# Altium PCB power-v3.3.PcbDoc (part 3 of 3)
Units mm, origin at the board's own origin, x right, y up, seen from the top; angles counter-clockwise.
Board outline 155.99 x 87.14 mm, 4 copper layers (Signal 1, Ground, Power, Signal 2), stack 1.536 mm thick; 227 components, 142 nets, 618 pads, 1072 vias.
Unrouted connection lines stored in the file: 100.
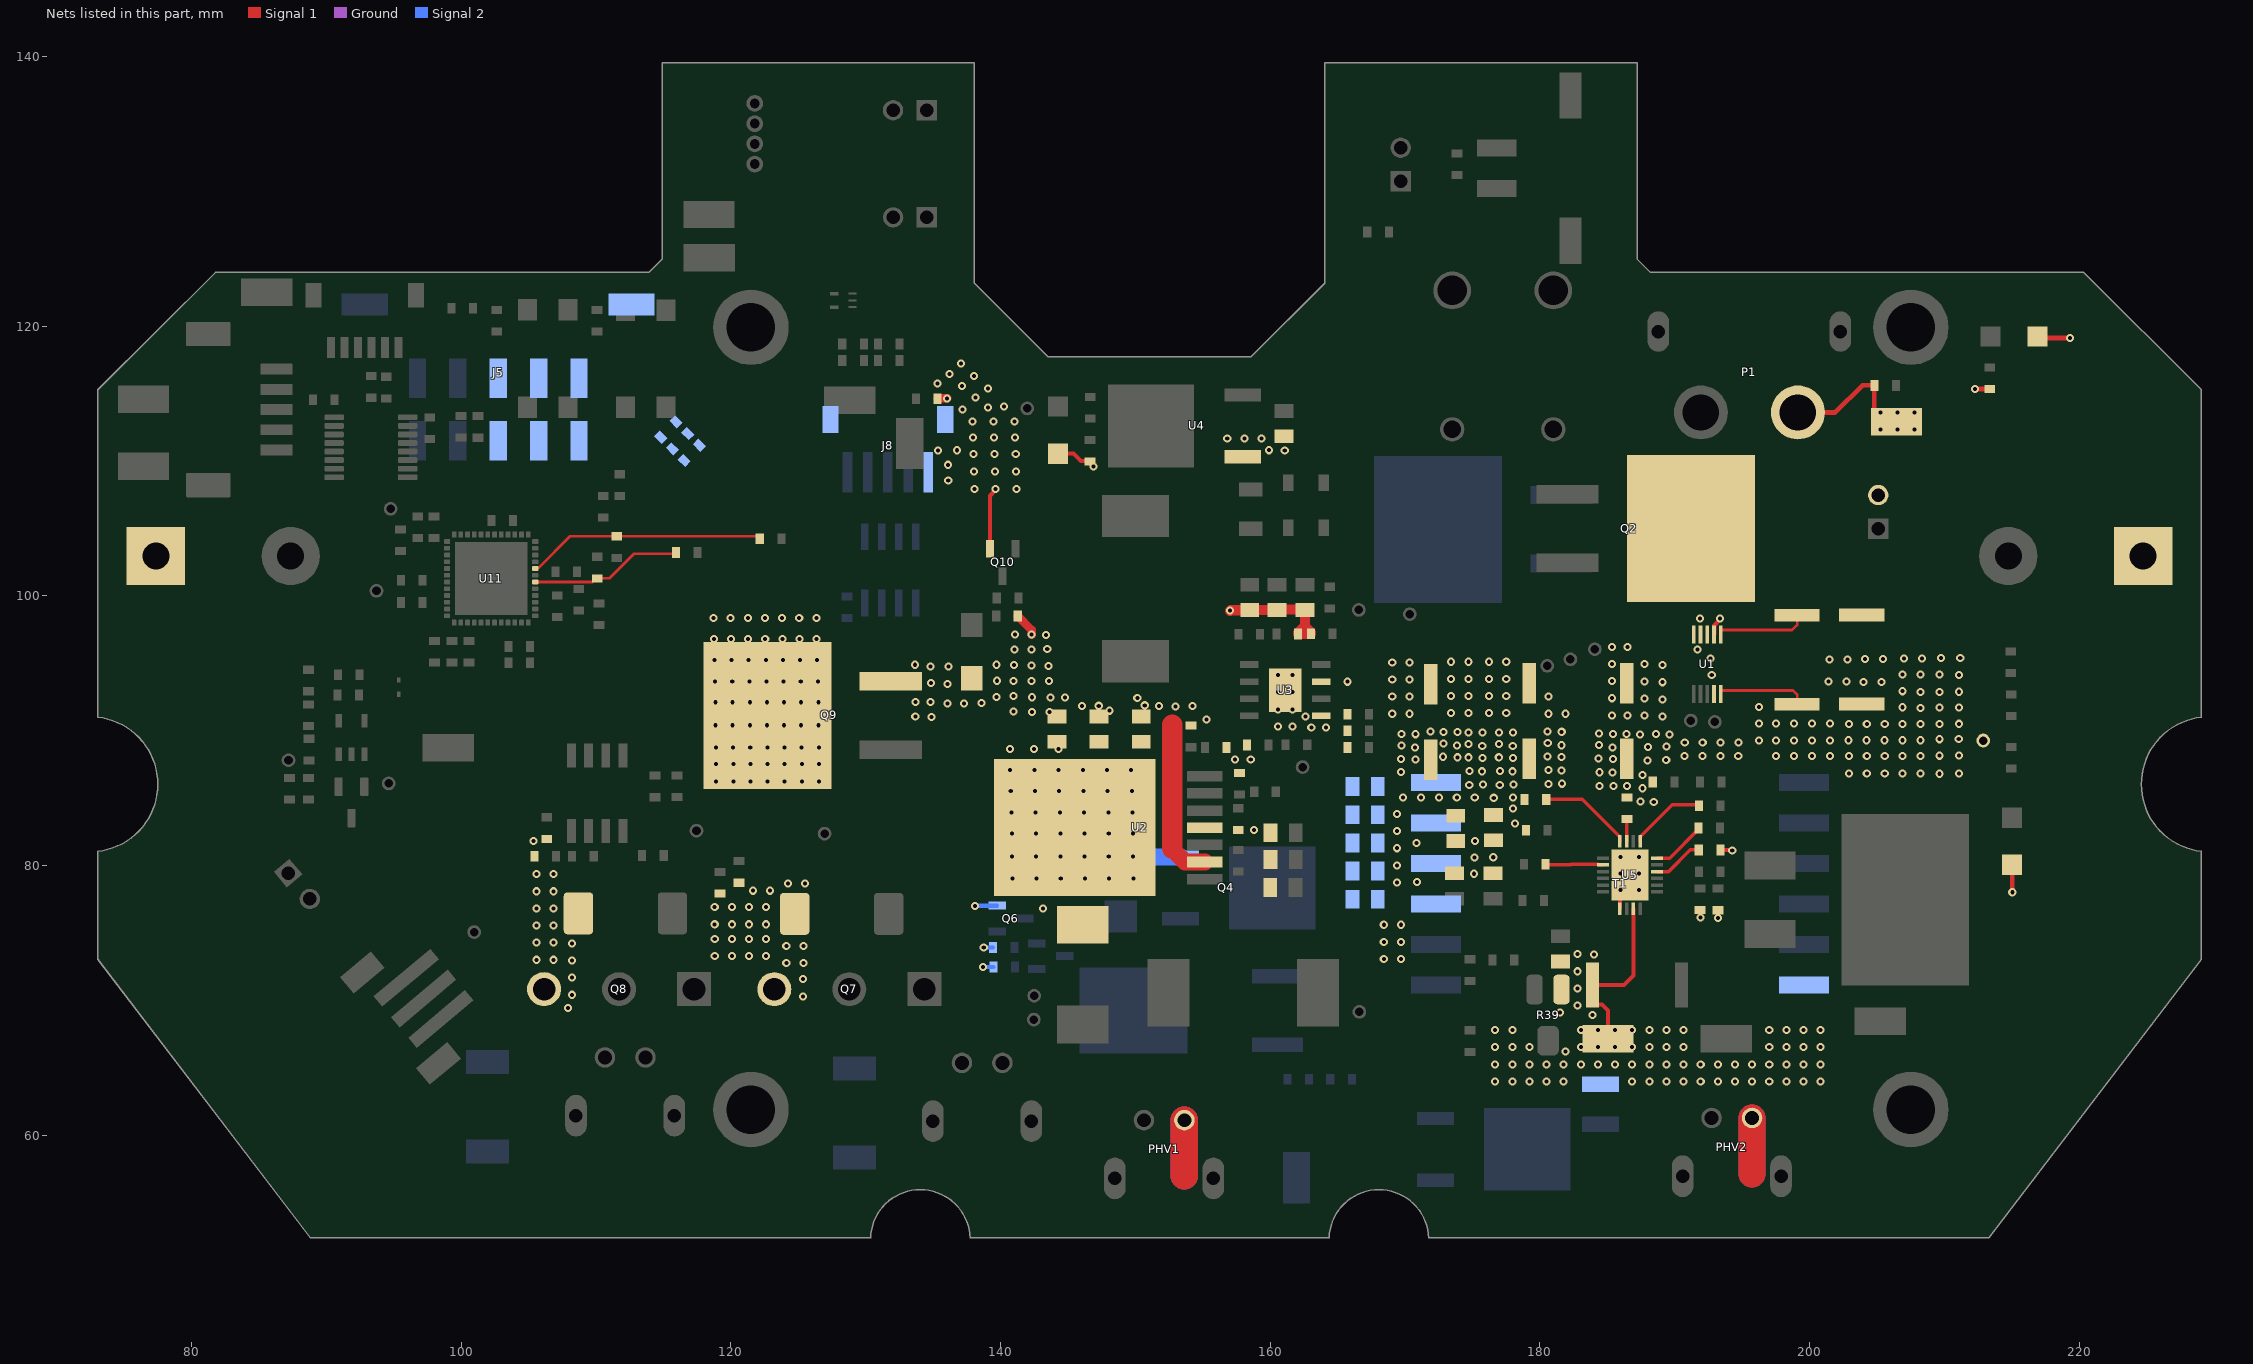
[diagram p5: the nets of this part, all layers, seen from the top]

## Via types
v1: diameter 0.6, hole 0.3, Signal 1 to Signal 2, tented both sides, 1045 vias
v2: diameter 0.5, hole 0.25, Signal 1 to Signal 2, tented both sides, 21 vias
v3: diameter 5.8, hole 3.6, Signal 1 to Signal 2, 4 vias
v4: diameter 1, hole 0.5, Signal 1 to Signal 2, 2 vias

## Nets (pads, with @x,y where several pads share a name; then routed paths per layer and width w, separated by ;. In a path a pad name is that pad's centre, name@x,y a point inside that pad or via, vN(x,y) a via of type N, cw(c..) or ccw(c..) an arc to the next point about the centre after c; other vN are vias at no path point) (continued)
PGND: C2.2 C3.2 C4.2 C5.1 C6.1 C7.1 C8.1 C9.2 C10.2 C11.2 C12.2 C13.2 C14.1 C15.2 C16.1 C17.1 C18.NEG C19.NEG C20.NEG C21.1 C22.NEG C23.NEG C24.1 C25.1 C26.1 C27.1 C28.1 C29.1 C30.1 C32.2 C33.2 C34.2 C35.1 C41.1 C42.1 C48.1 C49.1 C50.1 D2.A D3.2 D5.2 D8.2 D9.A D13.A D15.A FB_CSN.1 J1.2 J5.1 J5.2 J5.3 J5.S1 J8.1 J8.6 J8.7 P1.1 PGND.1 PHV1.1 PHV2.1 Q4.3 Q6.2 Q7.3 Q8.3 Q10.2 R3.1 R4.2 R11.1 R12.1 R13.2 R17.1 R18.1 R39.3 R40.1 R41.1 R46.1 R52.2 R54.2 T1.12 U1.3 U1.4 U1.5 U1.9 U2.4 U2.8 U3.1 U3.3 U3.EPAD U4.1 U5.7 U5.9 U5.21 | length 72.8
  Signal 1 w0.203: D5.2@216.897,119.243 D5.2@217.019,119.121
  Signal 1 w0.305: Q10.2@139.214,103.508 139.214,107.431 139.623,107.84 v1(139.623,107.92) ; D3.2@144.264,110.548 145.415,110.548 145.955,110.009 146.582,110.009 C16.1@146.634,109.957 146.686,109.957 146.834,109.81 146.834,109.647 v1(146.89,109.59) ; FB_CSN.1@185.037,67.083 185.037,69.261 184.604,69.694 184.21,69.694 183.887,70.016 R40.1@183.887,71.164 186.226,71.164 186.925,71.863 186.925,75.384 186.925,75.892 U5.9@186.925,76.804 ; U5.7@185.925,76.804 U5.21@185.925,78.238 ; v1(185.976,78.186) U5.21@185.925,78.238 ; U5.21@186.675,79.307 185.925,78.557 U5.21@185.925,78.238 ; R41.1@193.374,81.166 193.39,81.151 194.244,81.151 v1(194.259,81.136) ; v1(215.022,78.03) D8.2@215.022,80.045
  Signal 1 w0.356: P1.1@199.129,113.604 201.899,113.604 203.921,115.626 204.773,115.626 R3.1@204.791,115.609 204.791,113.813 205.679,112.925 PGND.1@206.436,112.925 ; D5.2@217.019,119.121 v1(219.291,119.121)
  Signal 1 w0.635: R4.2@135.337,114.624 135.354,114.643 v1(136.048,114.643)
  Signal 1 w0.762: v1(157.03,98.913) 157.064,98.947 158.168,98.947 158.181,98.96 160.462,98.96 160.504,99.002 162.543,99.002 C12.2@162.586,98.96 162.586,97.799 ; 162.586,97.799 162.061,97.274 C14.1@162.061,97.174 162.069,97.182 163.023,97.182 R17.1@163.031,97.19 163.031,97.29 162.586,97.736 162.586,97.799
  Signal 1 w2.032: 153.635,57.006 PHV1.1@153.635,61.134 ; 195.724,57.166 PHV2.1@195.724,61.294
  Ground w2.032: 153.635,57.006 PHV1.1@153.635,61.134 ; 195.724,57.166 PHV2.1@195.724,61.294
  Signal 2 w0.305: v1(138.11,77.025) 138.118,77.032 Q6.2@139.743,77.032 ; v1(138.703,72.501) 138.712,72.491 139.478,72.491 R46.1@139.487,72.482
  Signal 2 w1.27: D9.A@148.923,80.633 Q4.3@153.333,80.633
  other v1: 176.679,64.003 177.949,64.003 179.219,64.003 180.489,64.003 181.759,64.003 186.839,64.003 188.109,64.003 189.379,64.003 190.649,64.003 191.919,64.003 193.189,64.003 194.459,64.003 195.729,64.003 196.999,64.003 198.269,64.003 199.539,64.003 200.809,64.003 176.679,65.273 177.949,65.273 179.219,65.273 180.489,65.273 181.759,65.273 183.029,65.273 184.299,65.273 185.569,65.273 186.839,65.273 188.109,65.273 189.379,65.273 190.649,65.273 191.919,65.273 193.189,65.273 194.459,65.273 195.729,65.273 196.999,65.273 198.269,65.273 199.539,65.273 200.809,65.273 181.896,66.236 176.679,66.543 177.949,66.543 179.219,66.543 183.029,66.543 184.299,66.543 185.569,66.543 186.839,66.543 188.109,66.543 189.379,66.543 190.649,66.543 196.999,66.543 198.269,66.543 199.539,66.543 200.809,66.543 176.679,67.813 177.949,67.813 183.029,67.813 184.299,67.813 185.569,67.813 186.839,67.813 188.109,67.813 189.379,67.813 190.649,67.813 196.999,67.813 198.269,67.813 199.539,67.813 200.809,67.813 183.905,68.928 181.488,69.116 107.924,69.45 182.769,69.631 125.371,70.315 108.216,70.427 182.769,70.901 125.371,71.585 108.216,71.697 182.769,72.171 124.117,72.782 125.387,72.782 108.216,72.967 105.589,73.022 106.859,73.022 168.419,73.081 169.689,73.081 118.815,73.294 120.085,73.294 121.355,73.294 122.625,73.294 182.769,73.441 184.018,73.421 124.117,74.052 125.387,74.052 108.216,74.237 105.589,74.292 106.859,74.292 168.419,74.351 169.689,74.351 118.815,74.564 120.085,74.564 121.355,74.564 122.625,74.564 105.589,75.562 106.859,75.562 168.419,75.621 169.689,75.621 118.812,75.656 120.082,75.656 121.352,75.656 122.622,75.656 193.207,76.133 191.896,76.157 105.589,76.832 106.859,76.832 143.143,76.839 118.812,76.926 120.082,76.926 121.352,76.926 122.622,76.926 105.589,78.102 106.859,78.102 121.65,78.144 122.92,78.144 187.348,78.186 124.241,78.686 125.511,78.686 140.879,79.042 142.674,79.042 144.469,79.042 146.264,79.042 148.059,79.042 149.854,79.042 105.589,79.372 106.859,79.372 175.096,79.403 185.976,79.414 187.348,79.414 175.135,80.61 176.535,80.625 185.976,80.643 187.348,80.643 140.846,80.697 142.641,80.697 144.436,80.697 146.231,80.697 148.026,80.697 149.821,80.697 175.189,81.817 105.365,81.835 140.846,82.401 142.641,82.401 144.436,82.401 146.231,82.401 148.026,82.401 149.821,82.401 158.8,82.638 140.812,83.953 142.607,83.953 144.402,83.953 146.197,83.953 147.992,83.953 149.788,83.953 140.76,85.523 142.555,85.523 144.35,85.523 146.145,85.523 147.94,85.523 149.735,85.523 140.717,87.103 142.512,87.103 144.307,87.103 146.103,87.103 147.898,87.103 149.693,87.103 157.39,87.868 158.556,87.877 140.697,88.645 142.492,88.645 144.287,88.645 163.044,90.244 164.125,90.244 160.564,90.324 161.646,90.324 162.601,91.047 189.082,91.064 186.492,91.13 187.762,91.13 185.341,91.148 169.047,91.265 170.317,91.265 180.625,91.265 181.895,91.265 173.418,91.313 174.688,91.313 176.229,91.313 177.499,91.313 160.564,91.594 161.646,91.594 189.082,92.334 187.762,92.4 185.341,92.418 169.047,92.535 170.317,92.535 180.625,92.535 173.418,92.583 174.688,92.583 176.229,92.583 177.499,92.583 160.564,92.864 161.646,92.864 189.082,93.604 165.735,93.64 187.762,93.67 185.341,93.688 169.047,93.805 170.317,93.805 173.418,93.853 174.688,93.853 176.229,93.853 177.499,93.853 160.564,94.134 161.646,94.134 192.736,94.142 189.082,94.874 187.762,94.94 185.341,94.958 169.047,95.075 170.317,95.075 173.418,95.123 174.688,95.123 176.229,95.123 177.499,95.123 192.654,95.348 191.674,96.034 186.492,96.21 185.341,96.228 191.873,98.325 138.064,107.92 141.182,107.92 136.128,108.557 138.029,109.242 139.588,109.242 141.147,109.242 136.118,109.725 138.012,110.518 139.571,110.518 141.13,110.518 161.077,110.775 135.377,110.792 136.764,110.801 159.916,110.805 156.814,111.668 158.084,111.668 159.354,111.668 137.955,111.734 139.514,111.734 141.073,111.734 205.233,112.328 206.503,112.328 207.773,112.328 137.929,112.933 139.488,112.933 141.048,112.933 205.233,113.598 206.503,113.598 207.773,113.598 137.169,113.817 139.086,113.987 140.258,114.058 138.137,114.701 139.067,115.371 137.147,115.559 135.315,115.747 138.035,116.31 136.221,116.465 137.076,117.229
PMS_SCL: R5.1 R67.2 U11.18 | length 11.3
  Signal 1 w0.203: U11.18@105.504,101.033 109.732,101.033 110.011,101.311 111.007,101.311 112.822,103.126 115.826,103.126 R67.2@115.928,103.228
PMS_SDA: R6.1 R66.2 U11.20 | length 17.8
  Signal 1 w0.203: U11.20@105.504,102.033 105.577,102.106 105.769,102.106 108.09,104.427 121.952,104.427 122.16,104.219 R66.2@122.16,104.129
RBG: R41.2 U5.14 | length 3.8
  Signal 1 w0.254: U5.14@188.678,79.557 189.53,79.557 191.139,81.166 R41.2@191.774,81.166
RDCM: R32.2 U5.17 | length 5.7
  Signal 1 w0.254: U5.17@187.425,81.81 187.425,82.134 189.807,84.516 191.731,84.516 R32.2@191.8,84.447
RVOUT: R37.2 U5.16 | length 4.1
  Signal 1 w0.254: U5.16@188.678,80.557 189.615,80.557 191.756,82.698 R37.2@191.756,82.798
RVTRANS: R30.2 U5.19 | length 1.7
  Signal 1 w0.254: U5.19@186.425,81.81 186.425,83.417 R30.2@186.459,83.451
UVLO1: R23.1 U5.20 | length 6.9
  Signal 1 w0.254: R23.1@180.468,84.904 180.475,84.912 183.147,84.912 185.925,82.134 U5.20@185.925,81.81
UVLO2: R21.1 U5.2 | length 4.3
  Signal 1 w0.254: R21.1@180.412,80.105 180.46,80.057 182.281,80.057 182.32,80.096 184.309,80.096 184.348,80.057 U5.2@184.672,80.057
VCC: C2.1 C3.1 C4.1 C18.POS C19.POS C20.POS C24.2 C25.2 C26.2 C27.2 C28.2 C29.2 C30.2 C31.2 D16.1 Q9.3 R7.1 R8.1 R9.2 R20.2 R23.2 R24.2 R30.1 R45.2 R55.1 T1.3 T1.4 T1.5 T1.6 U1.2 U1.10 U2.2 VCC.1 | length 23.7
  Signal 1 w0.203: U1.10@193.412,92.717 193.412,92.957 193.45,92.995 198.762,92.995 199.07,92.687 R7.1@199.07,91.969 ; v1(212.267,115.35) v1@212.273,115.345 ; R20.2@213.344,115.345 R20.2@213.349,115.339
  Signal 1 w0.305: U1.2@192.912,97.15 192.924,97.162 192.924,97.812 193.352,98.24 v1(193.352,98.32)
  Signal 1 w0.356: v1@212.273,115.345 R20.2@213.344,115.345
  Signal 1 w0.635: R55.1@141.283,98.51 142.308,97.485 v1(142.308,97.127)
  Signal 1 w1.27: 152.725,81.242 153.69,80.277 U2.2@155.145,80.277
  Signal 1 w1.524: 152.725,81.242 152.725,90.439
  Signal 2 w0.305: v1(138.757,73.928) 138.764,73.934 R45.2@139.446,73.934
  other v1: 169.39,78.755 170.886,78.782 169.39,80.025 169.39,81.295 170.857,81.673 169.39,82.565 178.152,83.142 169.39,83.835 178.006,84.227 188.438,84.732 187.44,84.758 176.575,85.034 178.003,85.046 169.841,85.065 171.172,85.065 172.502,85.065 173.833,85.065 175.164,85.065 187.591,85.74 184.42,85.897 186.442,85.897 185.444,85.923 174.756,85.99 177.017,85.99 175.78,86.016 178.04,86.016 180.622,86.051 181.645,86.077 187.617,86.738 209.636,86.818 211.064,86.83 202.903,86.849 204.233,86.849 205.564,86.849 206.894,86.849 208.225,86.849 184.429,86.929 185.381,86.906 169.688,86.937 175.717,87 177.978,87 174.765,87.023 177.025,87.023 180.631,87.084 181.583,87.061 187.977,87.812 189.361,87.839 170.757,87.879 169.7,87.918 185.408,87.904 184.351,87.944 175.743,87.998 178.004,87.998 173.874,88.037 174.687,88.038 176.947,88.038 181.609,88.059 172.818,88.077 180.552,88.099 190.711,88.127 192.041,88.127 193.372,88.127 194.703,88.127 197.514,88.142 198.845,88.142 200.176,88.142 201.506,88.142 202.903,88.132 204.233,88.132 205.564,88.132 206.894,88.132 208.225,88.132 209.636,88.153 211.064,88.165 170.735,88.75 185.386,88.776 188.003,88.81 189.387,88.837 175.721,88.87 177.982,88.87 173.853,88.909 169.726,88.917 181.587,88.931 184.377,88.942 174.713,89.036 176.974,89.036 172.844,89.075 180.579,89.097 190.737,89.125 192.068,89.125 193.398,89.125 194.729,89.125 196.249,89.273 197.514,89.273 198.845,89.273 200.176,89.273 201.506,89.273 202.89,89.3 204.221,89.3 205.551,89.3 206.882,89.3 208.212,89.3 209.624,89.377 211.052,89.389 170.761,89.749 187.425,89.728 189.616,89.728 169.719,89.764 185.412,89.774 186.427,89.754 188.618,89.754 184.37,89.79 175.748,89.868 178.009,89.868 174.706,89.883 176.967,89.883 172.837,89.922 173.879,89.907 171.889,89.936 180.572,89.944 181.614,89.929 209.636,90.51 202.903,90.518 204.233,90.518 205.564,90.518 206.894,90.518 208.225,90.518 211.064,90.521 196.249,90.556 197.514,90.556 198.845,90.556 200.176,90.556 201.506,90.556 155.289,90.84 134.877,91.037 133.682,91.051 142.34,91.393 143.647,91.402 140.951,91.439 148.095,91.49 208.21,91.693 209.621,91.715 211.065,91.726 196.249,91.754 206.887,91.748 152.961,91.806 146.044,91.829 151.763,91.831 154.243,91.831 147.285,91.857 150.696,91.893 136.073,92.029 137.282,92.029 138.586,92.056 134.823,92.124 133.709,92.151 143.696,92.467 144.796,92.463 150.144,92.444 142.338,92.487 139.7,92.504 140.955,92.571 208.225,92.866 209.636,92.885 211.064,92.897 206.88,92.937 136.059,93.482 134.85,93.55 203.995,93.625 205.326,93.625 201.388,93.661 202.719,93.661 140.98,93.687 139.754,93.713 142.298,93.697 143.597,93.697 211.055,94.135 206.877,94.184 208.229,94.184 209.62,94.171 134.823,94.772 136.132,94.772 143.547,94.807 142.308,94.847 133.669,94.897 139.691,94.899 141.01,94.886 201.468,95.28 202.798,95.28 204.11,95.334 205.441,95.334 206.991,95.37 208.322,95.37 209.733,95.402 211.161,95.414 142.308,96.016 141.049,96.026 143.468,96.056 141.079,97.137 143.379,97.117
VCC_MOTOR: C48.2 C49.2 C50.2 J5.6 J5.7 J5.8 Q9.2
  other v1: 118.921,86.254 120.191,86.254 121.461,86.254 122.731,86.254 124.001,86.254 125.271,86.254 126.541,86.254 118.921,87.524 120.191,87.524 121.461,87.524 122.731,87.524 124.001,87.524 125.271,87.524 126.541,87.524 118.907,88.759 120.177,88.759 121.447,88.759 122.717,88.759 123.987,88.759 125.257,88.759 126.527,88.759 118.875,90.414 120.145,90.414 121.415,90.414 122.685,90.414 123.955,90.414 125.225,90.414 126.495,90.414 118.875,92.118 120.145,92.118 121.415,92.118 122.685,92.118 123.955,92.118 125.225,92.118 126.495,92.118 118.841,93.67 120.111,93.67 121.381,93.67 122.651,93.67 123.921,93.67 125.191,93.67 126.461,93.67 118.788,95.24 120.058,95.24 121.328,95.24 122.598,95.24 123.868,95.24 125.138,95.24 126.408,95.24 118.746,96.82 120.016,96.82 121.286,96.82 122.556,96.82 123.826,96.82 125.096,96.82 126.366,96.82 118.726,98.362 119.996,98.362 121.266,98.362 122.536,98.362 123.806,98.362 125.076,98.362 126.346,98.362
VCC_RPP: Q2.2 R7.2 R8.2 U1.1 | length 6.8
  Signal 1 w0.203: U1.1@193.412,97.15 193.412,97.437 193.45,97.475 198.696,97.475 199.07,97.849 R7.2@199.07,98.569
pads on no net: D7.1 J4.3 J4.4 J6.4 J6.5 P1.Un1 P1.Un2 P2.NC P3.NC PHV1.NC PHV2.NC T1.2 T1.11
copper on no net:
  other v1: 121.496,59.634 207.496,59.634 123.03,60.228 209.03,60.228 119.864,60.316 205.864,60.316 119.21,61.92 123.782,61.92 205.21,61.92 209.782,61.92 119.812,63.461 205.812,63.461 123.164,63.477 209.164,63.477 121.496,64.206 207.496,64.206 121.496,117.634 123.03,118.228 119.864,118.316 119.21,119.92 123.782,119.92 119.812,121.461 123.164,121.477 121.496,122.206
  other v3: 121.496,61.92 207.496,61.92 121.496,119.92

## Polygon pours and split planes (outlines as drawn)
PGND on Ground "PGND_L02_P021" (solid, pour order 21): 132.959,106.994 142.588,106.994 142.588,112.792 137.009,118.37 134.756,116.117 134.787,116.086 134.787,108.121 134.182,107.516 133.481,107.516
GND on Ground "GND_L02_P005" (solid, pour order 5): 139.629,121.383 135.716,125.295 135.707,125.295 132.671,122.259 136.463,118.467 136.463,118.455 134.4,116.392 134.4,115.294 134.406,115.287 134.406,108.206 134.182,107.982 133.501,107.982 132.108,106.59 132.108,90.064 126.79,84.745 104.727,84.745 103.483,83.501 103.483,51.46 99.867,47.844 83.076,47.844 62.457,68.463 62.457,149.222 139.492,149.222 140.065,149.794 139.865,121.658
PGND on Ground "PGND_L02_P004" (solid, pour order 4): 136.933,118.289 142.154,113.068 142.154,107.589 141.558,106.994 132.959,106.994 132.438,106.472 132.438,89.813 126.972,84.347 104.974,84.347 104.887,84.434 104.019,83.567 104.019,50.038 238.432,50.038 238.654,49.816 243.32,54.482 243.32,143.128 140.89,142.564 140.89,122.245
PGND on Ground "PGND_L01_P-001" (solid, remove dead copper, pour order 0): 219.191,79.078 205.69,61.383 95.928,61.383 83.047,77.15 83.047,106.045 73.141,106.045 73.141,52.396 229.097,52.396 229.097,106.045 219.191,106.045
GND on Ground "GND_L02_P014" (solid, pour order 14): 139.539,121.398 136.968,118.971 136.463,118.467 132.671,122.259 135.825,125.413 135.825,125.112
PGND on Signal 1 "PGND_L01_P100" (solid, pour order 100): 191.181,96.356 191.2,96.337 191.2,95.946 191.22,95.946 192.224,94.943 192.224,92.176 192.732,91.667 193.09,91.667 193.192,91.769 193.185,91.775 193.185,95.871 192.628,96.429 192.635,98.653 192.577,98.711 192.577,98.718 191.261,98.718 191.254,98.725 191.181,98.653
12V on Signal 1 "12V_L01_P092" (solid, pour order 92): 134.633,100.563 134.641,100.556 137.264,100.556 137.264,97.59 134.313,97.59 134.313,100.563
PGND on Signal 1 "PGND_L01_P085" (solid, pour order 85): 168.237,97.393 168.237,91.286 168.746,90.778 189.463,90.778 189.948,91.262 189.948,97.488 189.829,97.608 189.8,97.579 168.435,97.579
NetFB_D_1 on Signal 1 "NETFB_D_1_L01_P083" (solid, pour order 83): 211.263,70.591 211.263,70.629 213.108,73.063 213.108,87.804 192.987,87.804 192.853,87.939 192.556,87.642 192.556,82.236 192.948,81.844 198.9,81.844 199.238,81.506 199.027,81.295 199.027,70.636
VCC on Signal 1 "VCC_L01_P046" (solid, pour order 46): 135.211,95.546 135.122,95.457 135.122,90.44 135.475,90.44 136.501,91.466 140.465,91.466 142.167,89.764 152.697,89.818 155.724,89.818 155.724,91.456 155.704,91.456 154.825,92.335 145.482,92.335 144.136,93.681 144.136,97.119 143.606,97.65 139.914,97.65 139.342,97.077 139.342,96.01 138.878,95.546
PGND on Signal 1 "PGND_L01_P-001" (solid, remove dead copper, pour order 1): 219.211,79.059 205.709,61.364 95.948,61.364 83.067,77.131 83.067,106.045 73.161,106.045 73.161,52.377 229.117,52.377 229.117,106.045 219.211,106.045
GND on Signal 1 "GND_L01_P075" (solid, pour order 75): 96.319,73.415 98.529,75.317 99.499,75.244 100.293,74.45 100.105,73.741 99.499,73.217 94.518,68.912 93.796,68.912 92.806,69.902 92.806,70.438
12V on Signal 1 "12V_L01_P058" (solid, pour order 58): 168.151,73.362 168.151,92.132 167.42,92.863 166.376,92.863 166.376,92.512 166.376,87.666 165.877,87.167 163.854,87.167 162.986,86.3 160.293,86.3 159.859,85.866 159.859,84.247 161.056,83.049 161.056,73.362
5V on Signal 1 "5V_L01_P008" (solid, pour order 8): 161.72,103.315 162.46,104.055 162.46,105.292 163.112,105.945 165.595,105.945 166.127,105.412 166.127,102.856 166.127,100.173 165.896,99.941 143.261,99.941 143.207,108.015 156.453,108.015 156.453,103.703 156.382,103.633 156.7,103.315
12V on Signal 1 "12V_L01_P099" (solid, pour order 99): 108.848,83.442 108.864,83.459 110.075,83.459 110.075,81.743 110.084,81.735 110.025,81.676 109.15,81.676 109.15,81.692 108.866,81.976
PGND on Signal 1 "PGND_L01_P098" (solid, pour order 98): 121.488,79.203 121.435,79.203 120.073,79.203 119.467,78.597 118.421,78.597 118.07,78.246 118.07,73.638 118.645,73.063 121.067,73.063 121.548,72.582 121.548,69.551 122.234,68.865 124.739,68.865 126.462,70.588 126.462,78.884 126.398,78.884 126.079,79.203
PGND on Signal 1 "PGND_L01_P096" (solid, pour order 96): 106.86,82.302 105.096,82.302 104.892,82.098 104.904,82.087 104.904,69.208 105.372,68.739 108.257,68.739 109.026,69.507 109.026,73.841 110.014,74.83 110.014,78.05 108.236,79.829 106.627,79.829 106.454,80.002 106.454,81.291 106.855,81.693
12V on Signal 1 "12V_L01_P095" (solid, pour order 95): 113.148,85.463 113.664,85.463 116.591,85.463 116.591,84.589 116.537,84.534 113.148,84.534
PGND on Signal 1 "PGND_L01_P084" (solid, pour order 84): 172.643,82.497 177.332,82.497 177.651,82.178 177.651,78.708 177.426,78.484 172.462,78.484 172.218,78.728 172.377,78.887 172.377,82.231
LT_CSP on Signal 1 "LT_CSP_L01_P072" (solid, pour order 72): 199.021,76.348 194.401,76.348 192.754,74.701 190.099,74.701 189.891,74.494 189.891,69.427 190.168,69.15 199.479,69.15 199.8,69.471 199.8,75.732
3V3 on Signal 1 "3V3_L01_P074" (solid, pour order 74): 98.983,70.543 101.193,72.445 102.163,72.372 102.957,71.578 102.769,70.869 102.163,70.345 97.182,66.04 96.46,66.04 95.47,67.03 95.47,67.566
GND on Signal 1 "GND_L01_P025" (solid, pour order 25): 95.243,109.741 95.326,109.741 96.82,109.741 96.82,107.618 96.803,107.601 95.243,107.601
VCC on Signal 1 "VCC_L01_P042" (solid, pour order 42): 172.165,83.132 171.929,82.897 171.952,82.874 171.952,78.864 171.485,78.398 168.69,78.398 168.415,78.673 168.415,88.916 170.035,90.536 189.317,90.536 190.125,89.728 194.964,89.728 194.964,92.219 196.033,92.973 199.399,92.973 199.93,93.505 199.93,95.269 201.335,96.674 210.766,96.674 211.66,95.606 211.66,87.133 210.549,86.023 203.094,86.023 203.094,86.045 201.431,87.708 196.665,87.708 195.815,88.558 194.997,87.741 189.426,87.741 188.706,87.021 188.706,85.387 187.928,84.608 184.563,84.608 182.834,86.337 179.781,86.337 179.224,85.78 179.256,85.747 179.256,82.059 178.923,81.726 178.663,81.726 177.648,82.741 177.648,83 177.516,83.132
PGND on Signal 1 "PGND_L01_P073" (solid, pour order 73): 184.231,73.851 184.231,73.772 184.47,73.533 184.47,68.607 184.231,68.368 181.506,68.368 180.513,69.361 180.513,73.536 180.814,73.837
PGND on Signal 1 "PGND_L01_P071" (solid, pour order 71): 191.265,77.256 191.275,77.246 193.626,77.246 194.046,76.825 194.046,76.449 193.494,75.897 191.504,75.897 190.968,76.434 190.968,76.941
12V on Signal 1 "12V_L01_P070" (solid, pour order 70): 179.655,78.098 179.727,78.026 179.727,75.889 179.547,75.709 177.806,75.709 177.673,75.843 177.7,75.87 177.7,78.104 177.799,78.203 177.843,78.203 179.578,78.203
12V on Signal 1 "12V_L01_P069" (solid, pour order 69): 194.244,77.006 194.262,76.988 194.994,76.988 195.121,77.115 195.121,78.495 194.702,78.914 190.247,78.914 190.092,78.76 188.306,78.76 188.197,78.65 188.197,77.87 188.571,77.495 193.584,77.495 194.084,76.996
PGND on Signal 1 "PGND_L01_P065" (solid, pour order 65): 156.418,112.456 155.829,111.867 155.829,110.043 156.294,109.579 160.059,109.579 161.953,110.827 161.953,111.092 161.953,112.131 161.741,112.456
5V on Signal 1 "5V_L01_P011" (solid, pour order 11): 168.273,126.169 168.833,125.638 180.265,125.638 180.998,126.372 181.02,131.489 180.585,131.924 168.835,131.924 168.823,131.93 168.273,131.38
GND on Signal 1 "GND_L01_P016" (solid, pour order 16): 165.275,138.712 164.816,138.234 164.816,132.801 165.538,132.078 178.041,132.078 178.782,132.819 178.782,138.142 178.212,138.712
3V3 on Signal 1 "3V3_L01_P028" (solid, pour order 28): 154.21,114.663 147.771,114.663 147.771,109.469 148.064,109.175 154.226,109.175
NetL2_2 on Signal 1 "NETL2_2_L01_P062" (solid, pour order 62): 159.023,92.932 159.32,92.634 159.343,92.634 159.343,90.075 159.21,89.942 156.474,89.942 156.011,90.406 156.011,91.608 154.107,93.512 146.065,93.512 145.376,94.2 145.376,97.717 146.248,98.589 154.707,98.589 157.106,96.19 157.106,93.63 157.821,92.915 159.002,92.915
NetC15_1 on Signal 1 "NETC15_1_L01_P064" (solid, pour order 64): 160.248,109.358 160.241,109.351 160.241,107.31 160.705,106.845 164.603,106.845 165.524,107.766 165.524,114.54 163.052,117.011 163.005,116.964 156.982,116.964 155.874,115.856 155.874,113.304 156.411,112.767 162.092,112.767 162.292,112.567 162.292,110.654 162.28,110.642
PGND on Signal 1 "PGND_L01_P063" (solid, pour order 63): 163.031,94.24 162.995,94.24 162.755,94 162.774,93.982 162.774,93.328 163.059,93.043 166.198,93.043 166.327,93.172 166.327,94.111 166.207,94.23
PGND on Signal 1 "PGND_L01_P061" (solid, pour order 61): 164.797,91.79 166.154,91.79 166.24,91.705 166.24,87.99 166.069,87.819 165.043,87.819 165.043,87.822 164.797,88.068
PGND on Signal 1 "PGND_L01_P060" (solid, pour order 60): 164.947,91.79 164.947,87.918 163.177,89.688 160.122,89.688 159.911,89.9 159.911,94.655 162.332,94.655 162.384,94.603 162.384,91.976 162.569,91.79
12V on Signal 1 "12V_L01_P059" (solid, pour order 59): 166.659,92.863 162.946,92.863 162.799,92.715 162.799,92.084 162.885,91.998 162.898,92.011 166.366,92.011 166.656,92.011
12V on Signal 1 "12V_L01_P055" (solid, pour order 55): 161.056,73.362 161.056,66.076 161.659,65.473 166.069,65.473 167.97,67.373 167.97,73.362
NetC1_1 on Signal 1 "NETC1_1_L01_P057" (solid, pour order 57): 156.465,79.477 156.344,79.356 152.597,79.356 151.988,78.747 151.988,74.018 149.459,71.489 144.299,71.489 143.635,70.825 143.635,66.02 144.394,65.261 153.941,65.261 156.47,67.79 156.47,74.523
PGND on Signal 1 "PGND_L01_P056" (solid, pour order 56): 160.626,77.505 160.626,83.059 160.211,83.474 160.198,83.461 153.472,83.461 153.472,82.297 153.393,82.218 158.117,82.218 158.585,81.75 158.585,77.474
PGND on Signal 1 "PGND_L01_P054" (solid, pour order 54): 156.723,87.885 156.923,87.685 156.928,87.685 156.928,86.541 157.15,86.319 158.808,86.319 159.1,86.612 159.1,89.436 158.903,89.632 155.945,89.632 155.945,87.885
PGND on Signal 1 "PGND_L01_P052" (solid, pour order 52): 139.556,77.737 151.589,77.737 151.61,77.716 151.61,74.257 150.806,73.453 140.327,73.453 139.446,74.334
PGND on Signal 1 "PGND_L01_P053" (solid, pour order 53): 152.078,88.385 152.078,89.486 140.129,89.486 138.913,88.27 138.949,88.235 138.949,77.956 139.558,77.346 151.454,77.346 151.454,87.761
VCC on Signal 1 "VCC_L01_P049" (solid, pour order 49): 135.653,95.546 130.44,95.546 130.44,95.522 129.017,94.1 129.017,91.116 129.81,90.323 129.927,90.44 135.487,90.44 135.741,90.694
NetD1_2 on Signal 1 "NETD1_2_L01_P034" (solid, pour order 34): 178.827,109.568 178.363,109.104 178.363,105.458 178.901,104.92 178.923,104.942 184.953,104.942 184.953,108.673 184.058,109.568
VCC_RPP on Signal 1 "VCC_RPP_L01_P038" (solid, pour order 38): 206.947,98.41 206.469,97.932 195.696,97.932 194.451,99.177 186.859,99.177 186.376,99.661 186.42,110.466 186.456,110.502 197.547,110.502 206.947,101.102
NetD1_1 on Signal 1 "NETD1_1_L01_P037" (solid, pour order 37): 178.18,104.567 178.279,104.468 185.067,104.468 185.698,103.837 185.698,98.608 184.771,97.68 184.731,97.72 178.555,97.72 177.805,98.47 177.943,98.608 177.943,104.468
GND on Signal 1 "GND_L01_P029" (solid, pour order 29): 89.954,119.317 89.954,119.216 89.954,117.542 90.744,117.542 90.758,117.556 90.727,119.486 91.16,119.92 96.858,119.92 96.858,120.533 97.522,121.197 97.508,121.211 97.508,123.443 88.485,123.443 88.341,123.3 88.341,120.93
GND_JETSON on Signal 1 "GND_JETSON_L01_P026" (solid, pour order 26): 84.403,111.618 84.157,111.865 84.157,120.125 83.358,120.924 79.13,120.924 79.13,107.363 79.402,107.091 79.519,107.208 91.073,107.208 91.346,107.48 91.313,107.513 91.313,109.63 88.962,109.63 86.974,111.618
VCC_MOTOR on Signal 1 "VCC_MOTOR_L01_P018" (solid, pour order 18): 127.913,97.031 127.913,85.92 127.337,85.344 117.749,85.344 117.749,85.632 117.461,85.92 117.585,86.044 117.585,99.195 127.904,99.195 127.924,99.175
VCC on Power "VCC_L03_P041" (solid, pour order 41): 155.549,118.158 155.626,118.081 155.626,107.6 155.282,107.256 154.911,107.627 134.678,107.627 133.337,106.287 133.492,106.132 133.492,89.613 127.661,83.782 105.424,83.782 104.856,83.214 104.804,83.214 104.804,63.457 104.833,63.429 104.863,63.459 206.051,63.459 207.903,65.804 218.397,79.102 218.337,79.162 218.337,91.704 209.982,100.059 209.982,106.777 228.843,106.777 228.845,106.774 231.807,109.735 231.807,124.877 207.903,148.781 160.847,148.781
+HV on Power "+HV_L03_P032" (solid, pour order 32): 73.059,105.445 89.329,105.445 90.605,104.168 90.605,99.646 83.051,92.092 83.067,92.077 83.067,77.191 95.947,61.364 205.991,61.364 219.211,78.691 219.211,92.687 211.7,100.198 211.7,105.464 228.972,105.464 228.972,91.089 228.972,68.093 213.274,52.396 88.834,52.396 73.059,68.171
3V3 on Power "3V3_L03_P027" (solid, pour order 27): 154.95,119.306 154.95,108.148 154.785,107.982 134.434,107.982 132.883,106.431 132.883,89.698 127.395,84.211 105.155,84.211 104.337,83.394 104.337,63.473 95.366,63.473 83.985,77.235 83.985,91.794 92.236,100.045 92.236,106.046 92.235,106.045 73.263,106.045 73.263,115.203 81.848,123.789 81.876,123.789 81.876,141.661 86.02,145.806 152.996,145.806
12V on Power "12V_L03_P091" (solid, pour order 91): 134.633,100.563 134.641,100.556 137.264,100.556 137.264,97.59 134.313,97.59 134.313,100.563
5V on Power "5V_L03_P010" (solid, pour order 10): 168.273,126.563 168.791,126.045 179.477,126.045 180.648,127.216 180.665,131.19 179.931,131.924 168.817,131.924 168.273,131.38
5V on Power "5V_L03_P006" (solid, pour order 6): 143.211,107.34 143.282,107.27 156.453,107.27 156.453,103.703 156.382,103.633 156.7,103.315 165.668,103.315 166.127,102.856 166.127,100.173 165.896,99.941 143.261,99.941
5V on Power "5V_L03_P022" (solid, pour order 22): 100.999,117.948 101.108,117.948 101.138,113.716 95.496,113.716 95.406,113.806 95.406,117.948
PGND on Signal 2 "PGND_L04_P081" (solid, pour order 81): 201.819,63.464 201.752,63.531 176.554,63.531 175.543,64.542 175.543,84.187 201.927,84.187 201.94,84.2
+HV on Signal 2 "+HV_L04_P079" (solid, pour order 79): 73.059,105.445 89.329,105.445 90.605,104.168 90.605,99.646 83.051,92.092 83.067,92.077 83.067,77.191 95.947,61.364 205.991,61.364 219.211,78.691 219.211,92.687 211.7,100.198 211.7,105.464 228.972,105.464 228.972,91.089 228.972,68.093 213.274,52.396 88.834,52.396 73.059,68.171
PGND on Signal 2 "PGND_L04_P020" (solid, pour order 20): 136.965,117.893 141.276,113.581 141.815,113.581 141.815,106.574 141.403,106.162 133.985,106.162 133.985,110.759 117.017,110.759 114,113.776 113.949,113.725 101.541,113.725 101.541,122.558 102.409,123.426 131.402,123.426 136.604,118.225
GND on Signal 2 "GND_L04_P013" (solid, pour order 13): 143.335,117.28 158.758,117.28 164.477,122.998 164.477,138.455 164.992,138.971 167.56,138.971 167.828,138.703 167.828,119.964 162.172,114.308 160.55,114.308 140.891,114.308 139.565,115.634 136.967,118.255 136.967,118.284 133.341,121.913 133.341,122.568 135.412,124.639 136.022,124.593
NetQ4_2 on Signal 2 "NETQ4_2_L04_P089" (solid, pour order 89): 156.751,81.537 156.807,81.593 163.379,81.593 163.575,81.396 163.547,81.368 163.547,70.724 162.958,70.134 157.256,70.134 156.638,70.752
NetFB_D_1 on Signal 2 "NETFB_D_1_L04_P076" (solid, pour order 76): 195.434,84.226 195.352,84.308 192.638,84.308 192.556,84.39 192.556,87.537 201.376,87.537 203.094,85.783 212.53,85.783 213.14,85.174 213.14,84.07 213.14,73.063 211.044,70.436 203.2,70.436 202.02,71.616 202.02,75.433 201.056,76.397 196.895,76.397 195.434,77.858
12V on Signal 2 "12V_L04_P094" (solid, pour order 94): 132.599,110.759 133.719,110.759 133.848,110.63 133.848,107.397 133.589,107.137 132.689,107.137 132.427,107.399 132.447,107.418 132.447,110.615
GND on Signal 2 "GND_L04_P090" (solid, pour order 90): 130.836,98.241 130.848,98.253 131.648,98.253 131.648,100.363 131.527,100.484 127.962,100.484 127.828,100.351 127.828,99.562 128.01,99.38 129.199,99.38 129.308,99.271 129.308,98.241
NetD7_IN on Signal 2 "NETD7_IN_L04_P088" (solid, pour order 88): 169.058,72.259 170.362,72.259 175.107,72.259 175.107,60.719 169.058,60.719
VCC on Signal 2 "VCC_L04_P087" (solid, pour order 87): 173.86,90.536 167.663,90.536 167.3,90.174 167.3,87.106 167.3,76.297 167.417,76.18 174.287,76.18 174.521,76.414 174.439,76.496 174.439,89.9
PGND on Signal 2 "PGND_L04_P086" (solid, pour order 86): 164.215,87.156 163.854,86.763 163.854,72.935 164.342,72.447 170.063,72.447 170.063,75.807 169.761,76.109 167.182,76.109 167.048,76.307 167.048,76.514 167.048,86.75 167.04,86.75 166.671,87.119
VCC_MOTOR on Signal 2 "VCC_MOTOR_L04_P019" (solid, pour order 19): 117.564,93.743 112.776,98.531 101.776,108.591 101.776,112.851 102.15,113.225 113.854,113.225 127.904,99.175 127.893,97.051 127.893,85.94 127.317,85.364 117.729,85.364 117.729,85.652 117.441,85.94 117.564,86.064
NetF1_1 on Signal 2 "NETF1_1_L04_P068" (solid, pour order 68): 176.269,124.829 169.623,124.829 168.034,123.24 168.034,99.46 177.133,99.46 177.165,99.427 177.231,99.492 177.231,111.083 177.231,123.941
+VBAT on Signal 2 "+VBAT_L04_P067" (solid, pour order 67): 194.772,117.467 194.734,117.428 187.257,117.428 186.532,118.153 186.57,118.191 186.57,123.761 185.044,125.287 178.559,125.287 178.013,124.742 178.013,111.374 178.673,110.714 194.963,110.714 195.611,111.363 195.611,116.78
GND on Signal 2 "GND_L04_P015" (solid, pour order 15): 165.323,138.078 164.816,137.55 164.816,132.801 165.538,132.078 178.041,132.078 178.782,132.819 178.782,137.326 178.03,138.078
NetD1_1 on Signal 2 "NETD1_1_L04_P035" (solid, pour order 35): 177.992,104.533 190.951,104.533 191.443,104.042 193.202,104.042 193.202,101.273 189.647,97.718 177.881,97.718
NetD1_2 on Signal 2 "NETD1_2_L04_P033" (solid, pour order 33): 192.763,107.108 192.763,107.127 192.763,109.613 178.873,109.613 178.363,109.104 178.363,105.478 178.901,104.92 179.148,104.92 190.011,104.92 190.011,105.478 191.565,107.032 192.719,107.032
GND on Signal 2 "GND_L04_P024" (solid, pour order 24): 100.811,106.063 101.032,106.284 101.032,106.366 101.032,113.011 95.293,113.011 95.323,107.891 97.151,106.063
5V on Signal 2 "5V_L04_P023" (solid, pour order 23): 100.999,117.948 101.108,117.948 101.138,113.716 95.496,113.716 95.406,113.806 95.406,117.948

## Other copper
Signal 1:
  pour cut-out: 190.55,63.918 190.55,61.322 197.946,61.322 197.946,63.918
  pour cut-out: 148.62,64.222 148.62,61.402 156.016,61.402 156.016,64.222
  pour cut-out: 108.44,67.471 108.44,63.465 115.836,63.465 115.836,67.471
  pour cut-out: 135.048,67.478 135.048,63.473 142.444,63.473 142.444,67.478
Ground:
  pour cut-out: 190.546,63.918 190.546,61.3 197.942,61.3 197.942,63.918
  pour cut-out: 148.62,64.189 148.62,61.402 156.016,61.402 156.016,64.189
  pour cut-out: 218.397,79.102 218.337,79.162 218.337,91.644 219.191,91.644 219.186,79.096 205.69,61.397 95.957,61.42 83.067,77.191 83.067,91.808 83.985,91.808 83.985,77.235 95.366,63.473 206.051,63.473
  pour cut-out: 108.44,67.471 108.44,63.465 115.836,63.465 115.836,67.471
  pour cut-out: 135.048,67.478 135.048,63.473 142.444,63.473 142.444,67.478
  pour cut-out: 83.067,106.045 83.067,106.777 92.236,106.777 92.236,100.046 83.998,91.808 83.067,91.794 83.067,91.822
  pour cut-out: 219.155,106.777 219.157,106.774 229.481,106.774 229.481,105.997 229.433,106.045 219.154,106.045
  pour cut-out: 219.152,106.045 219.152,106.777 209.982,106.777 209.982,100.046 218.221,91.808 219.152,91.794 219.152,91.822
  pour cut-out: 83.067,106.777 83.064,106.774 72.74,106.774 72.74,105.997 72.788,106.045 83.067,106.045
Power:
  pour cut-out: 203.702,61.92 ccw(c207.496,61.92) 207.496,58.126 ccw(c207.496,61.92) 211.289,61.92 ccw(c207.496,61.92) 207.496,65.714 ccw(c207.496,61.92)
  pour cut-out: 117.702,61.92 ccw(c121.496,61.92) 121.496,58.126 ccw(c121.496,61.92) 125.289,61.92 ccw(c121.496,61.92) 121.496,65.714 ccw(c121.496,61.92)
  pour cut-out: 190.55,63.918 190.55,61.315 197.946,61.315 197.946,63.918
  pour cut-out: 148.62,64.206 148.62,61.402 156.016,61.402 156.016,64.206
  pour cut-out: 108.44,67.471 108.44,63.465 115.836,63.465 115.836,67.471
  pour cut-out: 135.048,67.478 135.048,63.473 142.444,63.473 142.444,67.478
  pour cut-out: 228.453,106.055 228.414,106.016 228.414,91.598 227.216,91.598 224.108,88.49 224.108,83.383 227.334,80.156 228.449,80.156 228.449,73.388 214.975,55.84 213.068,53.137 172.928,53.137 169.545,56.52 166.538,56.52 163.137,53.119 138.824,53.119 135.765,56.567 132.468,56.567 128.949,53.048 89.206,53.048 87.109,55.84 73.797,73.275 73.797,80.033 77.98,83.145 77.98,88.316 73.727,92.57 73.727,106.076 73.173,106.076 72.097,105.001 72.097,65.482 90.015,47.564 229.049,49.359
  pour cut-out: 219.143,91.802 219.143,92.116 211.605,99.655 211.605,104.177 212.882,105.453 217.723,105.453 219.14,103.665 219.14,106.785 209.974,106.785 209.974,100.055 209.987,100.055 218.227,91.802
  pour cut-out: 215.608,105.449 228.434,92.622 228.439,92.622 228.439,105.992 228.414,106.016 228.353,105.955 215.622,105.955
  pour cut-out: 86.472,105.57 73.645,92.743 73.641,92.743 73.641,106.113 73.665,106.137 73.727,106.076 86.458,106.076
  pour cut-out: 83.067,91.794 83.067,92.108 90.605,99.646 90.605,104.168 89.329,105.445 84.488,105.445 83.07,103.657 83.07,106.777 92.236,106.777 92.236,100.046 92.224,100.046 83.984,91.794
  pour cut-out: 219.146,106.782 219.149,106.779 229.473,106.779 229.473,106.003 229.425,106.051 219.146,106.051
  pour cut-out: 83.07,106.779 83.067,106.777 72.743,106.777 72.743,106 72.791,106.048 83.07,106.048
  pour cut-out: 218.397,79.088 218.337,79.147 218.337,91.629 219.191,91.629 219.186,79.081 205.69,61.383 95.711,61.406 83.067,76.876 83.067,91.794 83.985,91.794 83.985,77.221 95.366,63.459 206.051,63.459
Signal 2:
  pour cut-out: 203.702,61.92 ccw(c207.496,61.92) 207.496,58.126 ccw(c207.496,61.92) 211.289,61.92 ccw(c207.496,61.92) 207.496,65.714 ccw(c207.496,61.92)
  pour cut-out: 117.702,61.92 ccw(c121.496,61.92) 121.496,58.126 ccw(c121.496,61.92) 125.289,61.92 ccw(c121.496,61.92) 121.496,65.714 ccw(c121.496,61.92)
  pour cut-out: 228.453,106.055 228.414,106.016 228.414,91.598 227.216,91.598 224.108,88.49 224.108,83.383 227.334,80.156 228.449,80.156 228.449,73.388 214.975,55.84 213.068,53.137 172.928,53.137 169.545,56.52 166.538,56.52 163.137,53.119 138.824,53.119 135.765,56.567 132.468,56.567 128.949,53.048 89.206,53.048 87.109,55.84 73.797,73.275 73.797,80.033 77.98,83.145 77.98,88.316 73.727,92.57 73.727,106.076 73.173,106.076 72.097,105.001 72.097,65.482 90.015,47.564 229.049,49.359
  pour cut-out: 190.55,63.918 190.55,61.315 197.946,61.315 197.946,63.918
  pour cut-out: 190.55,63.918 190.55,61.322 197.946,61.322 197.946,63.918
  pour cut-out: 148.62,64.189 148.62,61.402 156.016,61.402 156.016,64.189
  pour cut-out: 108.44,67.471 108.44,63.465 115.836,63.465 115.836,67.471
  pour cut-out: 135.048,67.478 135.048,63.473 142.444,63.473 142.444,67.478
  pour cut-out: 175.934,62.243 173.648,62.243 173.648,60.719 170.854,60.719 170.854,62.243 168.822,62.243 168.822,59.449 175.934,59.449
  pour cut-out: 219.143,91.802 219.143,92.116 211.605,99.655 211.605,104.177 212.882,105.453 217.723,105.453 219.14,103.665 219.14,106.785 209.974,106.785 209.974,100.055 209.987,100.055 218.227,91.802
  pour cut-out: 215.608,105.449 228.434,92.622 228.439,92.622 228.439,105.992 228.414,106.016 228.353,105.955 215.622,105.955
  pour cut-out: 86.472,105.57 73.645,92.743 73.641,92.743 73.641,106.113 73.665,106.137 73.727,106.076 86.458,106.076

## Silkscreen, mask and mechanical layers (free items; w line width, h text height)
Top Overlay:
  circle w0.508: c96.438,55.405 r0.12
  region: 95.93,59.469 96.946,59.469 96.438,56.421
  lines w0.254: 211.595,117.587 220.105,117.587 220.105,122.944 211.595,122.944 211.595,117.587 ; 213.259,77.303 218.957,77.303 218.957,86.738 213.259,86.738 213.259,77.303
  lines w0.457: 95.93,59.469 96.946,59.469 96.438,56.421 95.93,59.469
  lines w0.635: 91.866,54.135 101.264,54.135 96.438,62.263 91.866,54.135
  text "VCC" at 215.266,121.304 h1.14
  text "+HV" at 216.838,84.337 h1.14 r270
  text "HIGH VOLTAGE" at 211.444,54.29 h2.13 r55
  text "HIGH VOLTAGE" at 103.406,53.904 h2.13
Bottom Overlay:
  circle w0.508: c94.239,55.346 r0.12
  region: 93.731,59.41 94.747,59.41 94.239,56.362
  lines w0.254: 137.103,92.06 163.326,92.06 ; 137.103,92.06 137.103,101.866 163.326,101.866 163.326,92.06 ; 137.103,92.06 163.326,92.06 ; 137.103,92.06 137.103,84.677 163.326,84.677 163.326,92.06
  lines w0.457: 93.731,59.41 94.747,59.41 94.239,56.362 93.731,59.41
  lines w0.635: 89.667,54.076 99.065,54.076 94.239,62.204 89.667,54.076
  text "Power-V3.3" at 162.689,99.861 h1.14
  text "Priydev Singh / Willem Van Dam / Dannon Sturn" at 162.919,92.349 h1.14
  text "DANGER - HIGH VOLTAGE PRESENT" at 162.866,87.916 h1.14
  text "HANDLE WITH CAUTION" at 162.628,85.482 h1.14
  text "HIGH VOLTAGE" at 225.38,74.282 h2.13 r55
  text "HIGH VOLTAGE" at 88.855,59.338 h2.13 r305
Mechanical 1:
  circle w0.013: c121.496,119.92 r1.8
  circle w0.006: c151.054,117.743 r0.003
  circle w0.013: c121.496,61.92 r1.8
  circle w0.013: c207.496,61.92 r1.8
  circle w0.013: c207.496,119.92 r1.8
  lines w0.013: 81.791,123.992 73.059,115.287 73.059,91.011 cw(c72.513,86.037) 73.059,81.063 73.059,73.063 88.834,52.396 130.366,52.396 ; 113.92,123.992 114.935,125.007 114.935,139.539 138.069,139.539 138.069,123.18 143.523,117.743 158.585,117.743 164.039,123.18 164.039,139.539 187.198,139.539 187.198,124.982 188.188,123.992 220.317,123.992 ; 137.742,52.396 164.366,52.396 ; 213.274,52.396 229.049,73.063 229.049,81.063 cw(c229.595,86.037) 229.049,91.011 229.049,115.287 ; 220.318,123.994 229.05,115.289
  lines w0.2: 73.059,73.063 88.834,52.396 130.366,52.396 cw(c134.054,52.289) 137.742,52.396 164.366,52.396 cw(c168.054,52.289) 171.742,52.396 213.274,52.396 229.049,73.063 229.049,81.063 cw(c229.595,86.037) 229.049,91.011 229.049,115.287 220.317,123.992 188.188,123.992 187.198,124.982 187.198,139.539 164.039,139.539 164.039,123.18 158.585,117.743 143.523,117.743 138.069,123.18 138.069,139.539 114.935,139.539 114.935,125.007 113.92,123.992 81.791,123.992 73.059,115.287 73.059,91.011 cw(c72.513,86.037) 73.059,81.063 73.059,73.063

## Dimensions
121.496,61.92 to 121.496,119.92 on Mechanical 16
207.496,61.92 to 121.496,61.92 on Mechanical 16
207.496,119.92 to 207.496,61.92 on Mechanical 16
207.496,119.92 to 121.496,119.92 on Mechanical 16
207.496,119.92 to 219.73,102.96 on Mechanical 16
207.496,119.92 to 219.73,102.96 on Mechanical 16
121.496,119.92 to 82.37,102.96 on Mechanical 16
121.496,119.92 to 82.37,102.96 on Mechanical 16

## Text inside footprints (layer, text, board x,y; h text height)
D2: Top Overlay "+" at 143.509,76.076 h0.63 r90
D10: Mechanical 13 "*" at 96.005,92.759 h1.27 r90
D17: Mechanical 13 "*" at 129.033,122.102 h1.27 r180
U1: Top Overlay "*" at 193.564,97.721 h1.27 r270; Mechanical 13 "*" at 192.614,96.419 h1.27 r270
U3: Top Overlay "*" at 164.358,90.751 h1.27 r180; Mechanical 13 "*" at 163.011,91.729 h1.27 r180
U5: Top Overlay "*" at 183.266,80.172 h1.27; Mechanical 13 "*" at 184.808,80.172 h1.27
U6: Top Overlay "*" at 90.607,87.682 h1.27 r90; Mechanical 13 "*" at 91.572,88.533 h1.27 r90